# Altium PCB Pannel3.5x2 Ver0.2.PcbDoc (part 1 of 4) (continued)
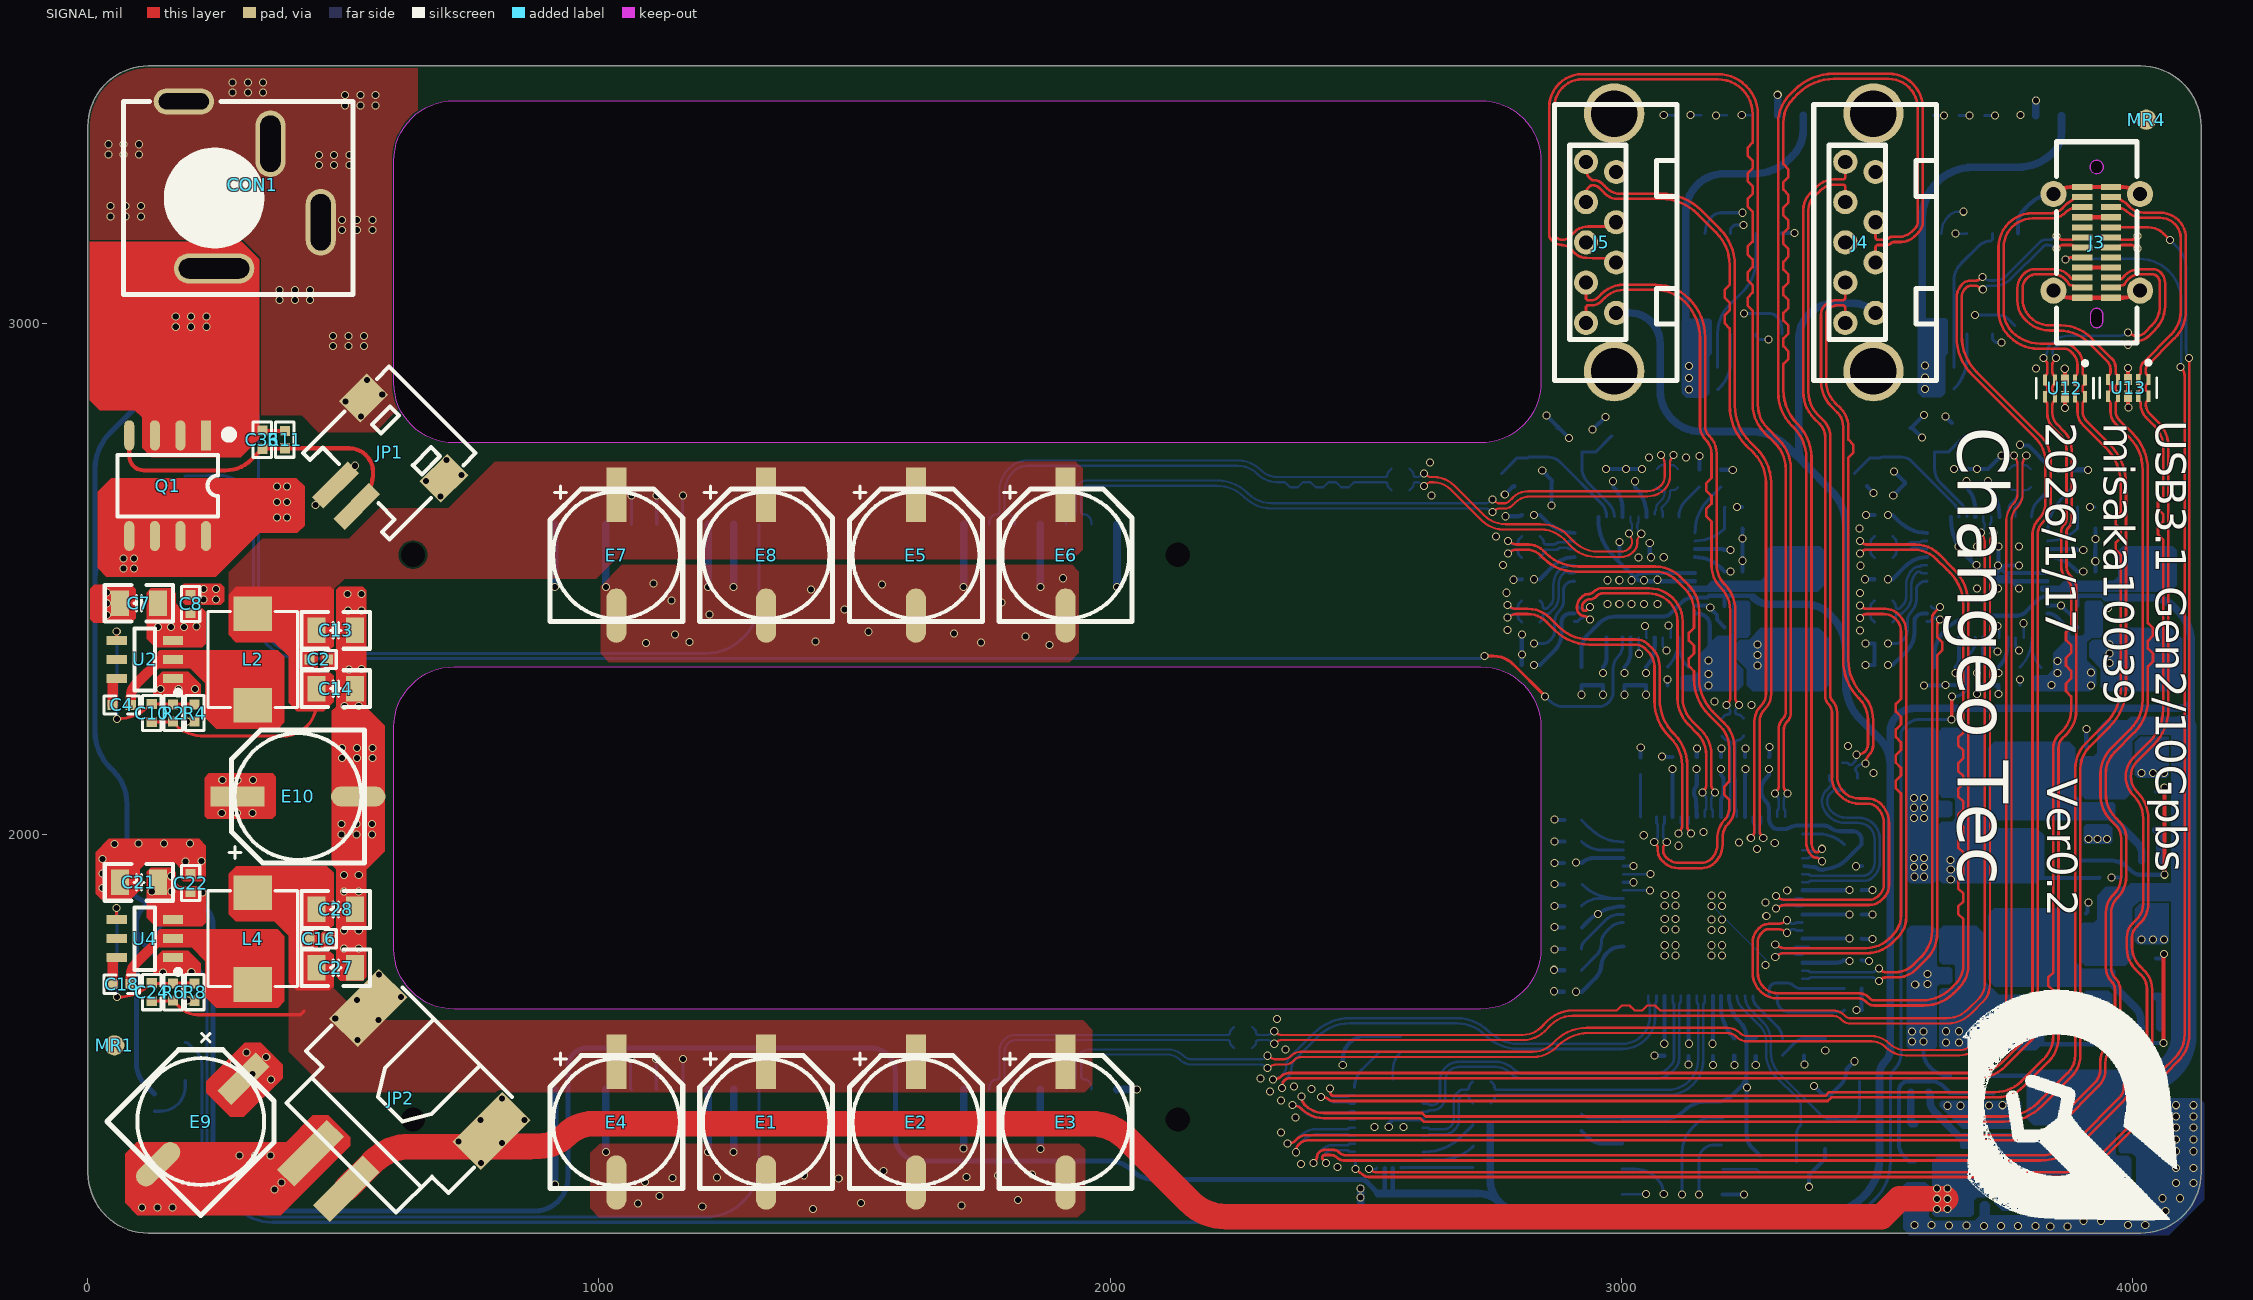
[diagram p0: SIGNAL view]
## Components (designator, comment, footprint, x,y, rotation, side; value= is the part's Value field where it differs from the comment)
C1 "100nF 50V" C0402_L 3651.08,2046 r180 bottom
C2 "100nF 50V" C0402_L 451.59,2342 r0 top
C3 "100nF 50V" C0402_L 4036,1948 r180 bottom
C4 "100nF 50V" C0402_L 66.28,2253 r0 top
C5 "22uF 10V" C0805_L 4002,2155 r180 bottom
C6 "100nF 50V" C0402_L 3909,2153 r270 bottom
C7 "22uF 25V" C0805_L 100,2452 r0 top
C8 "100nF 50V" C0402_L 201,2450.72 r270 top
C9 "150PF 50V" C0402_L 3893,1932 r270 bottom
C10 "68PF 50V" C0402_L 125,2237.27 r270 top
C11 "47uF 6.3V" C0805_L 3617.6,2103 r180 bottom
C12 "47uF 6.3V" C0805_L 3617.6,1989 r180 bottom
C13 "22uF 10V" C0805_L 485.08,2399 r0 top
C14 "22uF 10V" C0805_L 485.08,2285 r0 top
C15 "100nF 50V" C0402_L 3651.08,1720 r180 bottom
C16 "100nF 50V" C0402_L 451.59,1796 r0 top
C17 "100nF 50V" C0402_L 4036,1622 r180 bottom
C18 "100nF 50V" C0402_L 66.28,1707 r0 top
C19 "22uF 25V" C0805_L 4002,1829 r180 bottom
C20 "100nF 50V" C0402_L 3909,1827 r270 bottom
C21 "22uF 25V" C0805_L 100,1906 r0 top
C22 "100nF 50V" C0402_L 201,1904.72 r270 top
C23 "56PF 50V" C0402_L 3893,1606 r270 bottom
C24 "68PF 50V" C0402_L 125,1691.27 r270 top
C25 "47uF 6.3V" C0805_L 3617.6,1777 r180 bottom
C26 "47uF 6.3V" C0805_L 3617.6,1663 r180 bottom
C27 "22uF 10V" C0805_L 485.08,1739 r0 top
C28 "22uF 10V" C0805_L 485.08,1853 r0 top
C29 "100nF 50V" C0402_L 3968.92,1397 r0 bottom
C30 "100nF 50V" C0402_L 3584,1495 r0 bottom
C31 "22uF 25V" C0805_L 3618,1288 r0 bottom
C32 "100nF 50V" C0402_L 3711,1290 r90 bottom
C33 "68PF 50V" C0402_L 3727,1511 r90 bottom
C34 "22uF 10V" C0805_L 4002.4,1454 r0 bottom
C35 "22uF 10V" C0805_L 4002.4,1340 r0 bottom
C36 "1nF 25V" C0402_L 341.33,2772 r270 top
C37 "10nF 6.3V" C0402_L 3111,2696.72 r270 bottom
C38 "10nF 6.3V" C0402_L 3801,2696.72 r270 bottom
C39 "10nF 6.3V" C0402_L 3069,2696.72 r270 bottom
C40 "10nF 6.3V" C0402_L 3759,2696.72 r270 bottom
C41 "10nF 6.3V" C0402_L 2568,2673 r0 bottom
C42 "10nF 6.3V" C0402_L 2260,1582 r0 bottom
C43 "10nF 6.3V" C0402_L 2568,2715 r0 bottom
C44 "10nF 6.3V" C0402_L 2260,1623 r0 bottom
C45 "1uF 10V" C0402_L 3909.72,2598 r180 bottom
C46 "10uF 6.3V" C0603_L 3928.54,2311 r0 bottom
C47 "100nF 6.3V" C0402_L 3909.72,2363 r0 bottom
C48 "1uF 10V" C0402_L 3780,2309.29 r270 bottom
C49 "100nF 6.3V" C0402_L 3717,2696.72 r270 bottom
C50 "100nF 6.3V" C0402_L 3909.72,2514 r180 bottom
C51 "100nF 6.3V" C0402_L 3738,2309.28 r90 bottom
C52 "100nF 6.3V" C0402_L 3654,2309.28 r90 bottom
C53 "100nF 6.3V" C0402_L 3513,2373 r0 bottom
C54 "100nF 6.3V" C0402_L 3513,2625 r0 bottom
C55 "100nF 6.3V" C0402_L 3675,2696.72 r270 bottom
C56 "100nF 6.3V" C0402_L 3513,2499 r0 bottom
C57 "100nF 6.3V" C0402_L 3909.72,2447 r180 bottom
C58 "100nF 6.3V" C0402_L 3612,2309.28 r90 bottom
C59 "100nF 6.3V" C0402_L 3909.72,2405 r180 bottom
C60 "100nF 6.3V" C0402_L 3909.72,2556 r180 bottom
C61 "100nF 6.3V" C0402_L 3696,2309.28 r90 bottom
C62 "100nF 6.3V" C0402_L 3513,2331 r0 bottom
C63 "100nF 6.3V" C0402_L 3513,2415 r0 bottom
C64 "100nF 6.3V" C0402_L 3513,2457 r0 bottom
C65 "33pF/16V" C0402_L 3659,2792 r135 bottom
C66 "33pF/16V" C0402_L 3468.53,2693.47 r315 bottom
C67 "1uF 10V" C0402_L 3219.72,2598 r180 bottom
C68 "10uF 6.3V" C0603_L 3238.54,2311 r0 bottom
C69 "100nF 6.3V" C0402_L 3219.72,2363 r0 bottom
C70 "1uF 10V" C0402_L 3090,2309.29 r270 bottom
C71 "100nF 6.3V" C0402_L 2823,2625 r0 bottom
C72 "100nF 6.3V" C0402_L 3219.72,2514 r180 bottom
C73 "100nF 6.3V" C0402_L 2823,2499 r0 bottom
C74 "100nF 6.3V" C0402_L 2823,2373 r0 bottom
C75 "100nF 6.3V" C0402_L 3048,2309.28 r90 bottom
C76 "100nF 6.3V" C0402_L 3027,2696.72 r270 bottom
C77 "100nF 6.3V" C0402_L 2964,2309.28 r90 bottom
C78 "100nF 6.3V" C0402_L 2985,2696.72 r270 bottom
C79 "100nF 6.3V" C0402_L 3219.72,2447 r180 bottom
C80 "100nF 6.3V" C0402_L 2922,2309.28 r90 bottom
C81 "100nF 6.3V" C0402_L 3006,2309.28 r90 bottom
C82 "100nF 6.3V" C0402_L 2823,2331 r0 bottom
C83 "100nF 6.3V" C0402_L 3219.72,2556 r180 bottom
C84 "100nF 6.3V" C0402_L 3219.72,2405 r180 bottom
C85 "100nF 6.3V" C0402_L 2823,2415 r0 bottom
C86 "100nF 6.3V" C0402_L 2823,2457 r0 bottom
C87 "33pF/16V" C0402_L 2969,2792 r135 bottom
C88 "33pF/16V" C0402_L 2778.53,2693.47 r315 bottom
C89 "100nF 10V" C0402_L 2566,1279.75 r90 bottom
C90 "4.7uF 10V NC" C0402_L 2524,1279.75 r90 bottom
C91 "100nF 6.3V" C0402_L 2905.28,1902 r180 bottom
C92 "100nF 6.3V" C0402_L 2823,2583 r180 bottom
C93 "100nF 6.3V" C0402_L 2823,2541 r180 bottom
C94 "100nF 6.3V" C0402_L 2727,1516 r0 bottom
C95 "100nF 6.3V" C0402_L 2727.13,1474 r0 bottom
C96 "100nF 6.3V" C0402_L 3197,2209.28 r270 bottom
C97 "100nF 6.3V" C0402_L 3239,2209.28 r270 bottom
C98 "100nF 6.3V" C0402_L 3419.53,2127.53 r225 bottom
C99 "100nF 6.3V" C0402_L 3513,2541 r180 bottom
C100 "100nF 6.3V" C0402_L 3449.53,2097.53 r225 bottom
C101 "100nF 6.3V" C0402_L 3513,2583 r180 bottom
C102 "100nF 6.3V" C0402_L 2905.28,1944 r0 bottom
C103 "100nF 6.3V" C0402_L 2905.28,1692 r0 bottom
C104 "100nF 6.3V" C0402_L 3289.2,2133.71 r270 bottom
C105 "100nF 6.3V" C0402_L 3452.72,1937.7 r180 bottom
C106 "100nF 6.3V" C0402_L 3263,1584.28 r90 bottom
C107 "22pF/16V" C0402_L 3453.53,1528.47 r135 bottom
C108 "22pF/16V" C0402_L 3355,1346 r315 bottom
C109 "100nF 6.3V" C0402_L 3147.5,2133.72 r270 bottom
C110 "100nF 6.3V" C0402_L 3179,1584.28 r90 bottom
C111 "100nF 6.3V" C0402_L 3242,2133.72 r270 bottom
C112 "100nF 6.3V" C0402_L 3084.5,1584.28 r90 bottom
C113 "100nF 6.3V" C0402_L 3452.72,1843.3 r180 bottom
C114 "100nF 6.3V" C0402_L 3452.72,1890.5 r180 bottom
C115 "100nF 6.3V" C0402_L 3452.72,1754 r180 bottom
C116 "100nF 6.3V" C0402_L 3100.3,2133.72 r270 bottom
C117 "100nF 6.3V" C0402_L 3131.8,1584.28 r90 bottom
C118 "100nF 6.3V" C0402_L 3452.72,1796 r180 bottom
C119 "100nF 6.3V" C0402_L 2905.28,1818 r0 bottom
C120 "100nF 6.3V" C0402_L 3194.7,2133.72 r270 bottom
C121 "47uF 6.3V" C0805_L 3617.5,1908.99 r180 bottom
C122 "47uF 6.3V" C0805_L 3617,2183 r180 bottom
CON1 "3.5*1.3" DC-012G-2.5 321.81,3270.38 r90 top
E1 "47uF/16V" "CS 6*4 - R" 1327,1437 r90 top
E2 "47uF/16V" "CS 6*4 - R" 1620,1437 r90 top
E3 "47uF/16V" "CS 6*4 - R" 1913,1437 r90 top
E4 "47uF/16V" "CS 6*4 - R" 1034,1437 r90 top
E5 "47uF/16V" "CS 6*4 - R" 1620,2546 r90 top
E6 "47uF/16V" "CS 6*4 - R" 1913,2546 r90 top
E7 "47uF/16V" "CS 6*4 - R" 1034,2546 r90 top
E8 "47uF/16V" "CS 6*4 - R" 1327,2546 r90 top
E9 "47uF/16V" "CS 6*4 - R" 221,1438 r45 top
E10 "47uF/16V" "CS 6*4 - R" 411,2074 r180 top
J1 "SATA15P" "SATA 15P 贴片" 2132.33,2547.04 r180 bottom locked
J2 "SATA15P" "SATA 15P 贴片" 2132.33,1441.78 r180 bottom locked
J3 "TYPEC-501S-ACP24H92" "TypeC 24p 直立" 3930,3158 r270 top locked
J4 "USB3.1_Type-A" "USB3.1_Type-A 立式直插" 3467.68,3158 r90 top locked
J5 "USB3.1_Type-A" "USB3.1_Type-A 立式直插" 2960.4,3158 r90 top locked
JP1 "HDR-1X2" ZH1.5-WS-2P 618,2775 r135 top
JP2 "HDR-1X2" XH2.54-WS-2P 609.21,1480 r135 top
JP3 "HDR-1X6" 6p烧录点 3736,3406 r180 bottom
JP4 "HDR-1X6" 6p烧录点 3231,3407 r180 bottom
L1 "1.5uH" SMMS0420 3780,2046 r90 bottom
L2 "10uH" SMMS0420 322.37,2342 r270 top
L3 "4.7uH" SMMS0420 3780,1720 r90 bottom
L4 "10uH" SMMS0420 322.37,1796 r270 top
L5 "10uH" SMMS0420 3840,1397 r270 bottom
L6 "4.7uH" SMMS0420 4039,2438.32 r90 bottom
L7 "4.7uH" SMMS0420 3349,2438.32 r90 bottom
LED1 "blue" "LED 0805B" 190.61,1800.53 r270 bottom
LED2 "green" "LED 0805G" 190.62,1555.44 r90 bottom
LED3 "blue" "LED 0805B" 190.61,2908.51 r270 bottom
LED4 "green" "LED 0805G" 190.62,2663.42 r90 bottom
MR1 "MARK1.6" "Mark 1" 52,1587 r0 top
MR2 "MARK1.6" "Mark 1" 4027,3398 r180 bottom
MR3 "MARK1.6" "Mark 1" 127,1335 r180 bottom
MR4 "MARK1.6" "Mark 1" 4027,3398 r0 top
Q1 "Pmos_SOP8" SOP8_L 156,2682 r270 top
R1 "51K 1%" R0402_L 3935,1932 r90 bottom
R2 "100K 1%" R0402_L 167,2237.27 r90 top
R3 "62K 1%" R0402_L 3977,1931.87 r270 bottom
R4 "13.7K 1%" R0402_L 209,2237.14 r270 top
R5 "100K 1%" R0402_L 3935,1606 r90 bottom
R6 "100K 1%" R0402_L 167,1691.27 r90 top
R7 "22.1K 1%" R0402_L 3977,1605.87 r270 bottom
R8 "13.7K 1%" R0402_L 209,1691.14 r270 top
R9 "100K 1%" R0402_L 3685,1511 r270 bottom
R10 "13.7K 1%" R0402_L 3643,1511.13 r90 bottom
R11 "10K 1%" R0402_L 385.33,2772 r270 top
R12 "4.7K 1%" R0402_L 130.61,1780.98 r90 bottom
R13 "4.7K 1%" R0402_L 130.61,1474.98 r270 bottom
R14 "4.7K 1%" R0402_L 130.61,2888.98 r90 bottom
R15 "4.7K 1%" R0402_L 130.61,2582.98 r270 bottom
R16 "330K 1%" R0402_L 3909.59,2640 r180 bottom
R17 "4.7K 1%" R0402_L 3885,2696.59 r270 bottom
R18 "100K 1%" R0402_L 3821.39,2309.41 r90 bottom
R19 "12K 1%" R0402_L 3843,2696.59 r270 bottom
R20 "10K 1%" R0402_L 3633.73,2871 r0 bottom
R21 "10K 1%" R0402_L 3633.73,2913 r0 bottom
R22 "330K 1%" R0402_L 3219.59,2640 r180 bottom
R23 "4.7K 1%" R0402_L 3195,2696.59 r270 bottom
R24 "100K 1%" R0402_L 3131.39,2309.41 r90 bottom
R25 "12K 1%" R0402_L 3153,2696.59 r270 bottom
R26 "10K 1%" R0402_L 3171.73,2870 r0 bottom
R27 "10K 1%" R0402_L 3171.73,2913 r180 bottom
R28 "10K 1%" R0402_L 2727.25,1390 r180 bottom
R29 "10K 1%" R0402_L 2727,1432 r180 bottom
R30 "4.7K 1%" R0402_L 2905.27,1860 r180 bottom
R31 "4.7K 1%" R0402_L 2905.27,1776 r180 bottom
R32 "4.7K 1%" R0402_L 2905.27,1986 r180 bottom
R33 "4.7K 1%" R0402_L 2905.27,1734 r180 bottom
R34 "10K 1%" R0402_L 2727,1348 r0 bottom
R35 "4.7K 1%" R0402_L 2905.27,2028 r180 bottom
R36 "20K 1%" R0402_L 2567,1589 r270 bottom
R37 "20K 1%" R0402_L 2525,1589 r270 bottom
R38 "4.7K 1%" R0402_L 3037.3,2133.84 r90 bottom
R39 "12.4k 1%" R0402_L 3221,1584.16 r270 bottom
R40 "4.7K 1%" R0402_L 3399,1584.16 r270 bottom
R41 "1M 1%" R0402_L 3315,1584.16 r270 bottom
R42 "10K 1%" R0402_L 3357,1584.16 r270 bottom
R43 "4.7K 1%" R0402_L 3453,1698 r0 bottom
R44 "4.7K 1%" R0402_L 3453,1656 r0 bottom
R45 "4.7K 1%" R0402_L 3452.84,1980 r0 bottom
R46 "10K 1%" R0402_L 3271,1355 r90 bottom
R47 "10K 1%" R0402_L 2922,1436 r270 bottom
U1 "TPS54202DDCR" SOT23-6L 3991,2046 r90 bottom
U2 "TPS54202DDCR" SOT23-6L 111.67,2342 r90 top
U3 "TPS54202DDCR" SOT23-6L 3991,1720 r90 bottom
U4 "TPS54202DDCR" SOT23-6L 111.67,1796 r90 top
U5 "TPS54202DDCR" SOT23-6L 3629,1397 r270 bottom
U6 "JMS578" QFN48-L6.0-W6.0-P0.4 3716,2503 r90 bottom
U7 "P25Q21H" SOP8_L 3701,3077 r270 bottom
U8 "JMS578" QFN48-L6.0-W6.0-P0.4 3026,2503 r90 bottom
U9 "P25Q21H" SOP8_L 3239,3077 r270 bottom
U10 "VL160" MQFN-28_L4.5-W3.5-P0.40-BL-EP 2545,1434 r90 bottom
U11 "VL822 Q7" QFN-76_L9.0-W9.0-P0.40-EP6.3-TL 3179,1859 r270 bottom
U12 "TPD4E02B04" DIO_TPD4E02B04DQAR 3867.89,2872.35 r270 top
U13 "TPD4E02B04" DIO_TPD4E02B04DQAR 3991.63,2873.44 r270 top
U14 "P25Q21H" SOP8_L 3100,1370 r180 bottom
Y1 "30Mhz" "OSC 3225-4P" 3560,2742 r225 bottom
Y2 "30Mhz" "OSC 3225-4P" 2870,2742 r225 bottom
Y3 "25Mhz" "OSC 3225-4P" 3404,1437 r225 bottom

## Footprints (in the part's own frame and the unit in brackets; to place one, negate y for a bottom-side part, rotate by r counter-clockwise, add the part's x,y. Pads: shape width x height; smd on the part's side, far side on the other; paste and mask are expansions set on the pad)
6p烧录点 [mm] "6p烧录点 1.27mm"
  rect 0.8x1.2 smd: 1(-3.175,0)
  oval 0.8x1.2 smd: 2(-1.905,0) 3(-0.635,0) 4(0.635,0) 5(1.905,0) 6(3.175,0)
  silkscreen extent -4.11,0.32 -3.86,0.57
C0402_L [mm] "贴片MLCC电容"
  rect 0.5x0.5 smd: 1(-0.45,0) 2(0.45,0)
  silkscreen extent -0.87,-0.46 0.88,0.46, body extent -0.5,-0.25 0.5,0.25, height 0.5
C0603_L [mm] "贴片MLCC电容"
  rect 0.75x0.85 smd: 1(-0.725,0) 2(0.725,0)
  silkscreen extent -1.35,-0.69 1.35,0.69, body extent -0.8,-0.4 0.8,0.4, height 0.8
C0805_L [mil] "贴片MLCC电容"
  rect 35x50 smd: 1(-37.4,0) 2(37.4,0)
  silkscreen extent -67,-36 67,36, body extent -39,-26 39,26, height 51
"CS 6*4 - R" [mm] "直径6mm，高4mm"
  rect 2.7x1 smd: 1(3,0)
  oval 2.7x1 smd: 2(-3,0)
  silkscreen extent -3.3,-3.3 3.43,3.3, body extent -3.5,-3.15 3.5,3.15, height 4.05
DC-012G-2.5 [mm] "插件立式DC电源接口"
  oval 1.5x4 hole 1 slot 3.5 at 90 deg paste-2539.97: 1(-4.15,1.9)
  oval 3.3x1.5 hole 1 slot 2.8 at 0 deg paste-2539.97: 2(-1.85,-3.4) 3(2.05,-0.9)
  oval 1.3x3 hole 0.8 slot 2.5 at 90 deg copper offset 0,0 paste-2539.97: 4(4.15,3.4)
  silkscreen extent -5.45,-5 4.15,6.4, body extent -5.36,-4.77 4.24,6.64, height 14.5
DIO_TPD4E02B04DQAR [mm]
  rect 0.565x0.2 smd mask+0: 1(-0.417,1) 2(-0.417,0.5) 4(-0.417,-0.5) 5(-0.417,-1) 6(0.417,-1) 7(0.417,-0.5) 9(0.417,0.5) 10(0.417,1)
  rect 0.565x0.4 smd paste-1 mask+0: 3(-0.417,0) 8(0.417,0)
  silkscreen extent -1.35,-1.42 0.5,1.42, body extent -0.5,-1.25 0.5,1.25, height 0.55
"LED 0805B" [mil] "蓝色0805LED"
  rect 35x50 smd: 1(-37.4,-0.01)
  oct 35x50 smd: 2(37.4,-0.01)
  silkscreen extent -64,-33 75,33, body extent -39,-25 39,25, height 32
"LED 0805G" [mil] "绿色0805LED"
  rect 35x50 smd: 1(-37.4,0)
  oct 35x50 smd: 2(37.4,0)
  silkscreen extent -64,-33 75,33, body extent -39,-25 39,25, height 32
"Mark 1" [mm] "光学定位点，直径1mm"
  round 1 smd paste-1 mask+0.635: Mark(0,0)
  SIGNAL pour cut-out: 0,-1.143 -0.437,-1.056 -0.808,-0.808 -1.056,-0.437 -1.143,0 -1.143,0 -1.056,0.437 -0.808,0.808 -0.437,1.056 0,1.143 0,1.143 0.437,1.056 0.808,0.808 1.056,0.437 1.143,0 1.143,0 1.056,-0.437 0.808,-0.808 0.437,-1.056 0,-1.143
MQFN-28_L4.5-W3.5-P0.40-BL-EP [mm]
  rect 0.2x0.7 smd paste-100: 1(-1.8,-1.7) 2(-1.4,-1.7) 3(-1,-1.7) 4(-0.6,-1.7) 5(-0.2,-1.7) 6(0.2,-1.7) 7(0.6,-1.7) 8(1,-1.7) 9(1.4,-1.7) 10(1.8,-1.7) 15(1.8,1.7) 16(1.4,1.7) 17(1,1.7) 18(0.6,1.7) 19(0.2,1.7) 20(-0.2,1.7) 21(-0.6,1.7) 22(-1,1.7) 23(-1.4,1.7) 24(-1.8,1.7)
  rect 0.7x0.2 smd paste-100: 11(2.2,-0.6) 12(2.2,-0.2) 13(2.2,0.2) 14(2.2,0.6) 25(-2.2,0.6) 26(-2.2,0.2) 27(-2.2,-0.2) 28(-2.2,-0.6)
  rect 3x2 smd paste-100: 29(0,0)
  silkscreen extent -2.41,-1.78 2.29,1.78, body extent -2.26,-1.76 2.26,1.76, height 0.86
"OSC 3225-4P" [mm] "3.2*2.5*0.7mm(长宽高)"
  rect 1.3x1.2 smd: 1(-1.05,-0.85) 2(1.05,-0.85) 3(1.05,0.85) 4(-1.05,0.85)
  silkscreen extent -2.03,-1.75 1.9,1.65, body extent -1.6,-1.25 1.6,1.25, height 0.7
QFN48-L6.0-W6.0-P0.4 [mm] "QFN, 48-Leads, Body 6.00x6.00mm, Pitch 0.40mm, Thermal Pad 4.30x4.30mm封装库来自淘宝卖家 ID：黄晶宝石"
  oval 0.7x0.2 smd: 1(-3,2.2) 2(-3,1.8) 3(-3,1.4) 4(-3,1) 5(-3,0.6) 6(-3,0.2) 7(-3,-0.2) 8(-3,-0.6) 9(-3,-1) 10(-3,-1.4) 11(-3,-1.8) 12(-3,-2.2) 25(3,-2.2) 26(3,-1.8) 27(3,-1.4) 28(3,-1) 29(3,-0.6) 30(3,-0.2) 31(3,0.2) 32(3,0.6) 33(3,1) 34(3,1.4) 35(3,1.8) 36(3,2.2)
  oval 0.2x0.7 smd: 13(-2.2,-3) 14(-1.8,-3) 15(-1.4,-3) 16(-1,-3) 17(-0.6,-3) 18(-0.2,-3) 19(0.2,-3) 20(0.6,-3) 21(1,-3) 22(1.4,-3) 23(1.8,-3) 24(2.2,-3) 37(2.2,3) 38(1.8,3) 39(1.4,3) 40(1,3) 41(0.6,3) 42(0.2,3) 43(-0.2,3) 44(-0.6,3) 45(-1,3) 46(-1.4,3) 47(-1.8,3) 48(-2.2,3)
  rect 3.3x3.3 smd: 49(0,0)
  silkscreen extent -3.92,-3.15 3.15,3.15, body extent -3,-3 3,3, height 0.9
QFN-76_L9.0-W9.0-P0.40-EP6.3-TL [mm]
  oval 0.8x0.2 smd paste-100: 1(-4.45,3.599) 2(-4.45,3.2) 3(-4.45,2.799) 4(-4.45,2.4) 5(-4.45,1.999) 6(-4.45,1.6) 7(-4.45,1.199) 8(-4.45,0.8) 9(-4.45,0.399) 10(-4.45,0) 11(-4.45,-0.399) 12(-4.45,-0.8) 13(-4.45,-1.199) 14(-4.45,-1.6) 15(-4.45,-1.999) 16(-4.45,-2.4) 17(-4.45,-2.799) 18(-4.45,-3.2) 19(-4.45,-3.599) 39(4.45,-3.599) 40(4.45,-3.2) 41(4.45,-2.799) 42(4.45,-2.4) 43(4.45,-1.999) 44(4.45,-1.6) 45(4.45,-1.199) 46(4.45,-0.8) 47(4.45,-0.399) 48(4.45,0) 49(4.45,0.399) 50(4.45,0.8) 51(4.45,1.199) 52(4.45,1.6) 53(4.45,1.999) 54(4.45,2.4) 55(4.45,2.799) 56(4.45,3.2) 57(4.45,3.599)
  oval 0.2x0.8 smd paste-100: 20(-3.599,-4.45) 21(-3.2,-4.45) 22(-2.799,-4.45) 23(-2.4,-4.45) 24(-1.999,-4.45) 25(-1.6,-4.45) 26(-1.199,-4.45) 27(-0.8,-4.45) 28(-0.399,-4.45) 29(0,-4.45) 30(0.399,-4.45) 31(0.8,-4.45) 32(1.199,-4.45) 33(1.6,-4.45) 34(1.999,-4.45) 35(2.4,-4.45) 36(2.799,-4.45) 37(3.2,-4.45) 38(3.599,-4.45) 58(3.599,4.45) 59(3.2,4.45) 60(2.799,4.45) 61(2.4,4.45) 62(1.999,4.45) 63(1.6,4.45) 64(1.199,4.45) 65(0.8,4.45) 66(0.399,4.45) 67(0,4.45) 68(-0.399,4.45) 69(-0.8,4.45) 70(-1.199,4.45) 71(-1.6,4.45) 72(-1.999,4.45) 73(-2.4,4.45) 74(-2.799,4.45) 75(-3.2,4.45) 76(-3.599,4.45)
  rect 5.5x5.5 smd paste-100: 77(0,0)
  silkscreen extent -5.36,-4.7 4.7,4.7, body extent -4.5,-4.5 4.5,4.5, height 0.85
R0402_L [mm] "1/16W贴片电阻"
  rect 0.5x0.5 smd: 1(-0.425,0) 2(0.425,0)
  silkscreen extent -0.88,-0.46 0.87,0.46, body extent -0.5,-0.25 0.5,0.25, height 0.3
"SATA 15P 贴片" [mm] "SATA"
  rect 0.6x2.9 smd: P1(16.99,1.5) P2(18.26,1.5) P3(19.53,1.5) P4(20.8,1.5) P5(22.07,1.5) P6(23.34,1.5) P7(24.61,1.5) P8(25.88,1.5) P9(27.15,1.5) P10(28.42,1.5) P11(29.69,1.5) P12(30.96,1.5) P13(32.23,1.5) P14(33.5,1.5) P15(34.77,1.5) S1(3.02,1.5) S2(4.29,1.5) S3(5.56,1.5) S4(6.83,1.5) S5(8.1,1.5) S6(9.37,1.5) S7(10.64,1.5)
  rect 2.4x2.8 smd: SH1(-3.19,0) SH2(40.75,0)
  round 1 hole 1.2 unplated: ""(0,0) ""(38,0)
  body extent -3.97,-2.88 41.47,2.68, height 10.2
SMMS0420 [mm] "贴片电感"
  rect 1.724x1.92 smd paste+0.051 mask+0.102: 1(2.278,0) 2(-2.278,0)
  silkscreen extent -2.38,-2.23 2.38,2.23, body extent -2.37,-2.25 2.37,2.25, height 2
SOP8_L [mm] "4*5*1.8mm（长宽高）"
  rect 1.5x0.5 smd: 1(-2.5,1.905)
  oval 1.5x0.5 smd: 2(-2.5,0.635) 3(-2.5,-0.635) 4(-2.5,-1.905) 5(2.5,-1.905) 6(2.5,-0.635) 7(2.5,0.635) 8(2.5,1.905)
  silkscreen extent -2.69,-2.5 1.52,3.2, body extent -3,-2.5 3,2.5, height 1.9
SOT23-6L [mm] "3x1.6x1.1mm(长宽高)"
  rect 0.45x1 smd: 1(-0.95,-1.397) 2(0,-1.397) 3(0.95,-1.397) 4(0.95,1.397) 5(0,1.397) 6(-0.95,1.397)
  silkscreen extent -1.77,-1.78 1.55,0.51, body extent -1.5,-1.4 1.5,1.4, height 1.15
"TypeC 24p 直立" [mm]
  rect 0.3x1 smd paste-100: A1(-2.75,0.72) A2(-2.25,0.72) A3(-1.75,0.72) A4(-1.25,0.72) A5(-0.75,0.72) A6(-0.25,0.72) A7(0.25,0.72) A8(0.75,0.72) A9(1.25,0.72) A10(1.75,0.72) A11(2.25,0.72) A12(2.75,0.72) B1(2.75,-0.72) B2(2.25,-0.72) B3(1.75,-0.72) B4(1.25,-0.72) B5(0.75,-0.72) B6(0.25,-0.72) B7(-0.25,-0.72) B8(-0.75,-0.72) B9(-1.25,-0.72) B10(-1.75,-0.72) B11(-2.25,-0.72) B12(-2.75,-0.72)
  round 1.3 hole 0.7: SH1(-2.4,-2.15) SH2(2.4,-2.15) SH3(2.4,2.15) SH4(-2.4,2.15)
  Keep-Out Layer board cut-out: 4.244,0 4.244,-0.056 4.203,-0.16 4.126,-0.241 4.024,-0.287 3.968,-0.29 3.968,-0.29 3.556,-0.29 3.499,-0.289 3.393,-0.245 3.312,-0.163 3.268,-0.057 3.268,0 3.268,0.058 3.312,0.164 3.393,0.245 3.499,0.29 3.556,0.29 3.556,0.29 3.97,0.29 4.026,0.287 4.127,0.24 4.203,0.159 4.244,0.056 4.244,0 4.244,0
  Keep-Out Layer board cut-out: -3.42,0 -3.42,-0.066 -3.47,-0.187 -3.563,-0.28 -3.684,-0.33 -3.816,-0.33 -3.937,-0.28 -4.03,-0.187 -4.08,-0.066 -4.08,0 -4.08,0.066 -4.03,0.187 -3.937,0.28 -3.816,0.33 -3.684,0.33 -3.563,0.28 -3.47,0.187 -3.42,0.066 -3.42,0 -3.42,0
  Keep-Out Layer circle w0.005: c-3.75,0 r0.33
  Keep-Out Layer region: 4.244,0 4.244,-0.056 4.203,-0.16 4.126,-0.241 4.024,-0.287 3.968,-0.29 3.968,-0.29 3.556,-0.29 3.499,-0.289 3.393,-0.245 3.312,-0.163 3.268,-0.057 3.268,0 3.268,0.058 3.312,0.164 3.393,0.245 3.499,0.29 3.556,0.29 3.556,0.29 3.97,0.29 4.026,0.287 4.127,0.24 4.203,0.159 4.244,0.056 4.244,0 4.244,0
  Keep-Out Layer region: -3.42,0 -3.42,-0.066 -3.47,-0.187 -3.563,-0.28 -3.684,-0.33 -3.816,-0.33 -3.937,-0.28 -4.03,-0.187 -4.08,-0.066 -4.08,0 -4.08,0.066 -4.03,0.187 -3.937,0.28 -3.816,0.33 -3.684,0.33 -3.563,0.28 -3.47,0.187 -3.42,0.066 -3.42,0 -3.42,0
  Keep-Out Layer lines w0.005: 3.968,-0.29 ccw(c3.954,0) 4.244,0 ccw(c3.954,0) 3.97,0.29 3.556,0.29 ccw(c3.558,0) 3.268,0 ccw(c3.558,0) 3.556,-0.29 3.968,-0.29
  silkscreen extent -5,-2 5,2, body extent -4.47,-2.3 4.47,2.3, height 9.2